# Altium PCB STM32F207VC.PcbDoc (part 12 of 16) (continued)
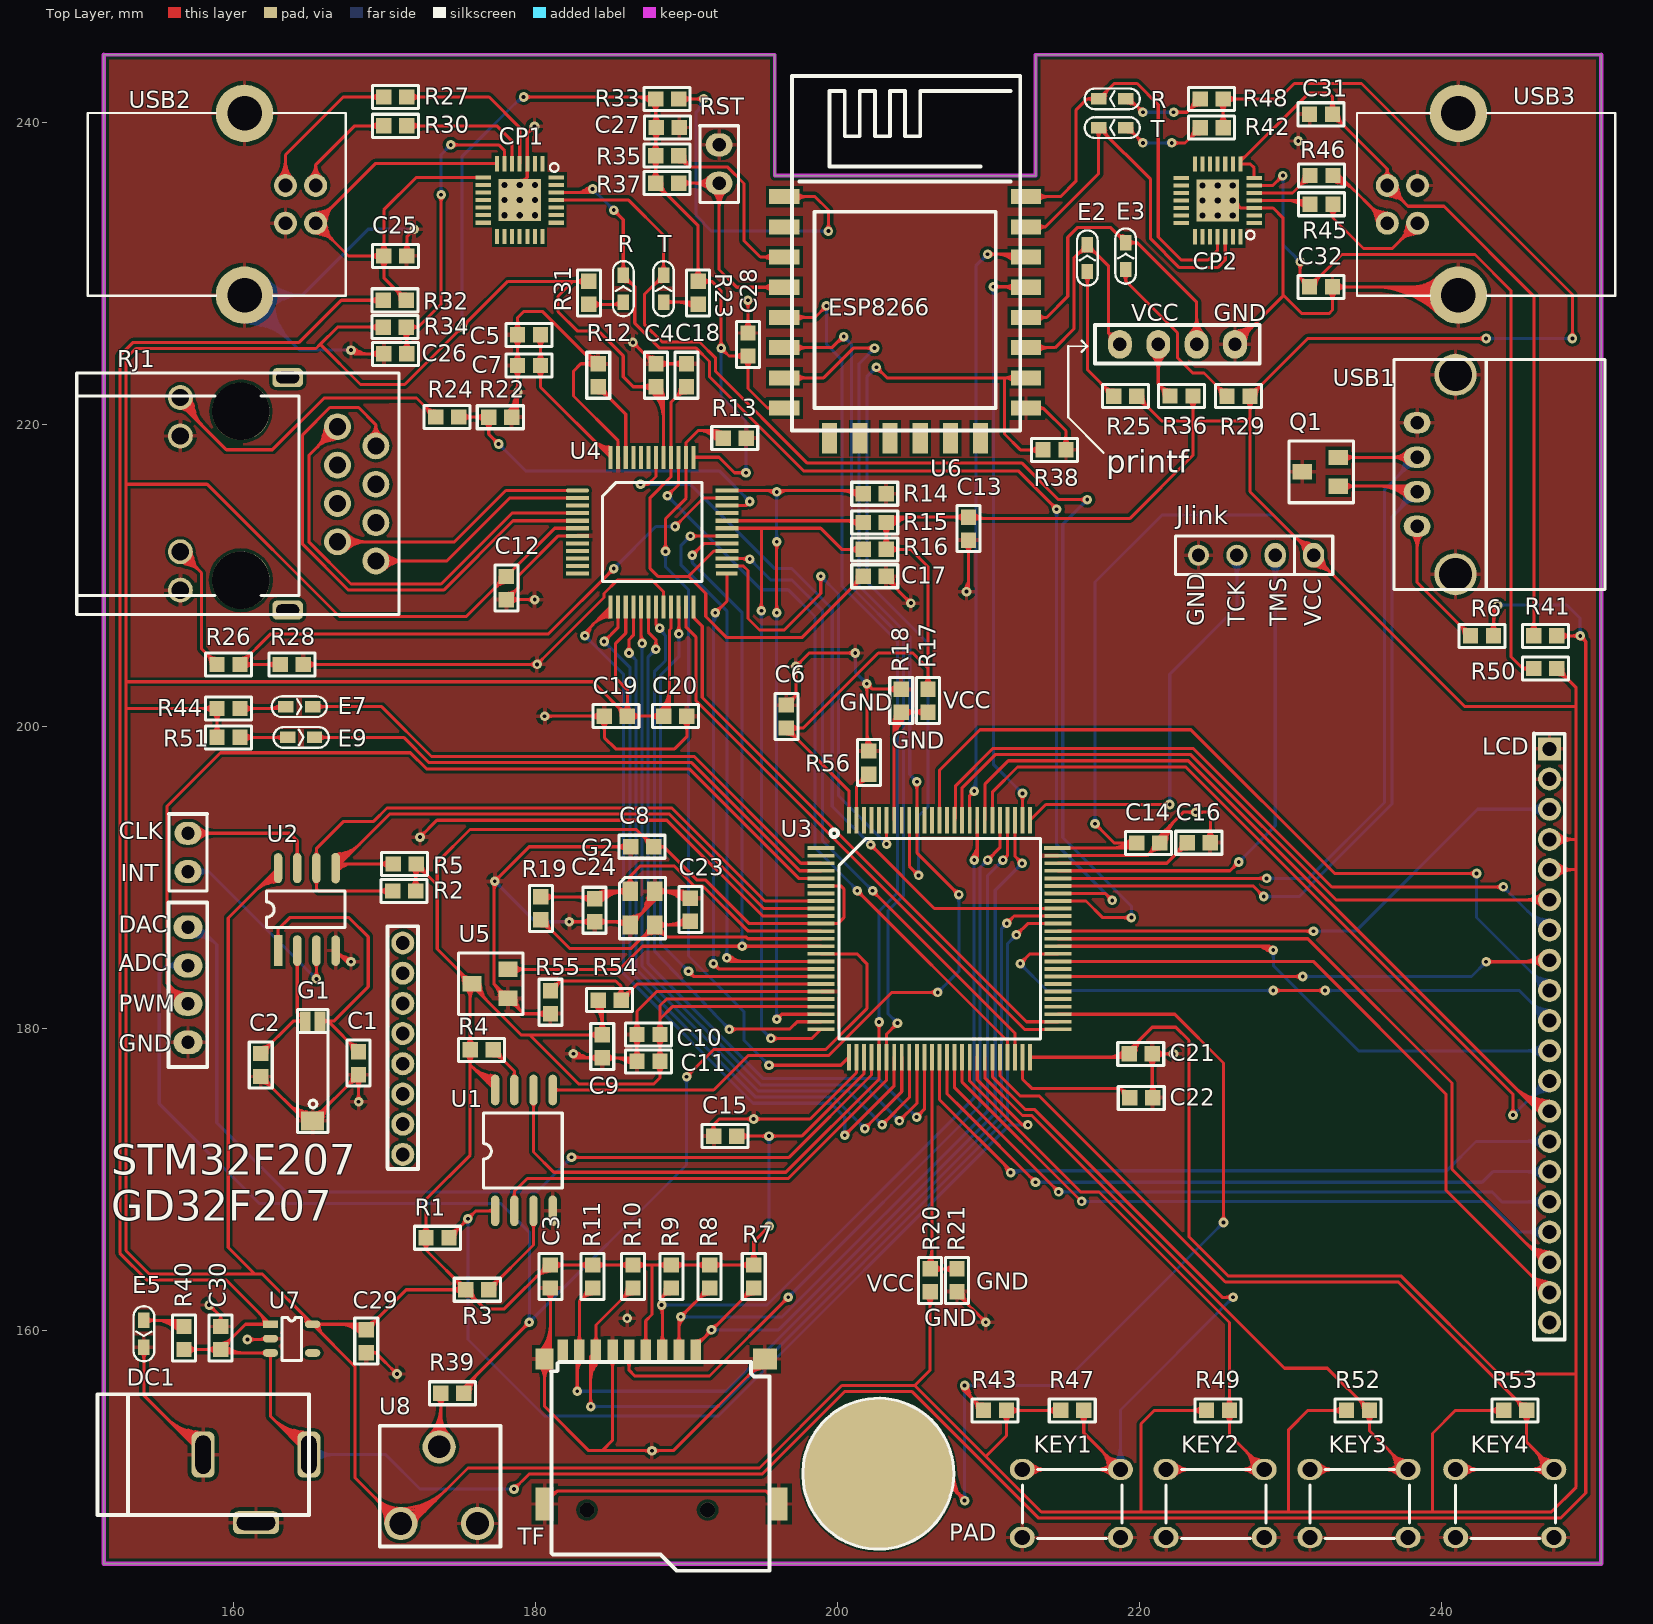
[diagram p0: Top Layer view]
## Nets (pads, with @x,y where several pads share a name; then routed paths per layer and width w, separated by ;. In a path a pad name is that pad's centre, name@x,y a point inside that pad or via, vN(x,y) a via of type N, cw(c..) or ccw(c..) an arc to the next point about the centre after c; other vN are vias at no path point) (continued)
  Bottom Layer w0.203: v1(208.407,148.717) v1(208.407,156.337) 214.757,156.337 v1(225.552,167.132) ; v1@208.254,148.87 ccw(c207.886,149.238) 208.407,149.238 ; v1@208.254,148.87 ccw(c207.886,149.238) 208.407,149.238 ; v1@208.254,148.87 ccw(c207.886,149.238) 208.407,149.238 ; v1@208.254,148.87 ccw(c207.886,149.238) 208.407,149.238 ; v1@208.254,156.184 cw(c207.886,155.816) 208.407,155.816 ; v1@208.254,156.184 cw(c207.886,155.816) 208.407,155.816 ; v1@208.254,156.184 cw(c207.886,155.816) 208.407,155.816 ; v1@208.254,156.184 cw(c207.886,155.816) 208.407,155.816 ; 208.407,149.238 ccw(c208.928,149.238) v1@208.56,148.87 ; 208.407,149.238 ccw(c208.928,149.238) v1@208.56,148.87 ; 208.407,149.238 ccw(c208.928,149.238) v1@208.56,148.87 ; 208.407,149.238 ccw(c208.928,149.238) v1@208.56,148.87 ; 208.407,155.816 cw(c208.928,155.816) v1@208.56,156.184 ; 208.407,155.816 cw(c208.928,155.816) v1@208.56,156.184 ; 208.407,155.816 cw(c208.928,155.816) v1@208.56,156.184 ; 208.407,155.816 cw(c208.928,155.816) v1@208.56,156.184 ; v1@208.56,156.184 cw(c208.928,155.816) 208.928,156.337 ; v1@208.56,156.184 cw(c208.928,155.816) 208.928,156.337 ; v1@208.56,156.184 cw(c208.928,155.816) 208.928,156.337 ; v1@208.56,156.184 cw(c208.928,155.816) 208.928,156.337 ; v1@208.56,156.49 ccw(c208.928,156.858) 208.928,156.337 ; v1@208.56,156.49 ccw(c208.928,156.858) 208.928,156.337 ; v1@208.56,156.49 ccw(c208.928,156.858) 208.928,156.337 ; v1@208.56,156.49 ccw(c208.928,156.858) 208.928,156.337 ; 225.183,166.763 cw(c225.552,166.395) v1@225.552,166.916 ; 225.183,166.763 ccw(c224.815,167.132) v1@225.336,167.132 ; 225.183,166.763 cw(c225.552,166.395) v1@225.552,166.916 ; 225.183,166.763 ccw(c224.815,167.132) v1@225.336,167.132 ; 225.183,166.763 ccw(c224.815,167.132) v1@225.336,167.132 ; 225.183,166.763 cw(c225.552,166.395) v1@225.552,166.916 ; 225.183,166.763 ccw(c224.815,167.132) v1@225.336,167.132 ; 225.183,166.763 cw(c225.552,166.395) v1@225.552,166.916
PWM: DAC.2 U3.5 | length 110.7
  Top Layer w0.203: DAC.2@156.972,181.61 155.575,183.007 ; U3.5@198.895,189.928 197.416,189.928 190.163,197.18 172.764,197.18 171.701,198.244 159.128,198.244 155.575,194.691 155.575,183.007 ; 155.575,183.007 cw(c154.254,181.686) DAC.2@156.121,181.63 ; 155.575,183.007 cw(c154.254,181.686) DAC.2@156.121,181.63 ; 155.575,183.007 cw(c154.254,181.686) DAC.2@156.121,181.63 ; 155.575,183.007 cw(c154.254,181.686) DAC.2@156.121,181.63 ; 155.908,182.674 cw(c154.9,181.667) DAC.2@156.325,181.624 ; 155.908,182.674 cw(c154.9,181.667) DAC.2@156.325,181.624 ; 155.908,182.674 cw(c154.9,181.667) DAC.2@156.325,181.624 ; 155.908,182.674 cw(c154.9,181.667) DAC.2@156.325,181.624 ; 155.918,182.664 ccw(c156.807,183.553) DAC.2@156.807,182.296 ; 155.918,182.664 ccw(c156.807,183.553) DAC.2@156.807,182.296 ; 155.918,182.664 ccw(c156.807,183.553) DAC.2@156.807,182.296 ; 155.918,182.664 ccw(c156.807,183.553) DAC.2@156.807,182.296 ; 155.937,182.411 ccw(c157.194,182.708) DAC.2@156.765,181.49 ; 155.937,182.411 ccw(c157.194,182.708) DAC.2@156.765,181.49 ; 155.937,182.411 ccw(c157.194,182.708) DAC.2@156.765,181.49 ; 155.937,182.411 ccw(c157.194,182.708) DAC.2@156.765,181.49 ; 155.937,182.411 ccw(c157.194,182.708) DAC.2@156.765,181.49 ; 156.022,182.049 ccw(c157.047,182.292) DAC.2@156.697,181.299 ; 156.022,182.049 ccw(c157.047,182.292) DAC.2@156.697,181.299 ; 156.022,182.049 ccw(c157.047,182.292) DAC.2@156.697,181.299 ; 156.022,182.049 ccw(c157.047,182.292) DAC.2@156.697,181.299 ; 156.022,182.049 ccw(c157.047,182.292) DAC.2@156.697,181.299 ; 156.159,182.325 ccw(c156.989,182.521) DAC.2@156.822,181.685 ; 156.159,182.325 ccw(c156.989,182.521) DAC.2@156.822,181.685 ; 156.159,182.325 ccw(c156.989,182.521) DAC.2@156.822,181.685 ; 156.159,182.325 ccw(c156.989,182.521) DAC.2@156.822,181.685 ; 156.159,182.325 ccw(c156.989,182.521) DAC.2@156.822,181.685 ; 156.159,182.325 ccw(c156.989,182.521) DAC.2@156.822,181.685 ; 156.221,182.453 cw(c155.97,181.516) DAC.2@156.933,181.624 ; 156.221,182.453 cw(c155.97,181.516) DAC.2@156.933,181.624 ; 156.221,182.453 cw(c155.97,181.516) DAC.2@156.933,181.624 ; 156.221,182.453 cw(c155.97,181.516) DAC.2@156.933,181.624 ; 156.221,182.453 cw(c155.97,181.516) DAC.2@156.933,181.624 ; 156.241,182.341 cw(c155.547,181.648) DAC.2@156.528,181.618 ; 156.241,182.341 cw(c155.547,181.648) DAC.2@156.528,181.618 ; 156.241,182.341 cw(c155.547,181.648) DAC.2@156.528,181.618 ; 156.241,182.341 cw(c155.547,181.648) DAC.2@156.528,181.618 ; 156.265,182.317 ccw(c156.807,182.859) DAC.2@156.807,182.093 ; 156.265,182.317 ccw(c156.807,182.859) DAC.2@156.807,182.093 ; 156.265,182.317 ccw(c156.807,182.859) DAC.2@156.807,182.093 ; 156.265,182.317 ccw(c156.807,182.859) DAC.2@156.807,182.093 ; 156.508,182.376 cw(c156.287,181.552) DAC.2@157.135,181.647 ; 156.508,182.376 cw(c156.287,181.552) DAC.2@157.135,181.647 ; 156.508,182.376 cw(c156.287,181.552) DAC.2@157.135,181.647 ; 156.508,182.376 cw(c156.287,181.552) DAC.2@157.135,181.647 ; 156.508,182.376 cw(c156.287,181.552) DAC.2@157.135,181.647
RJ45_LINK: R22.1 R24.1 U4.34 | length 60.9
  Top Layer w0.203: R24.1@174.896,220.478 176.882,220.478 R22.1@176.894,220.466 176.894,219.346 v1(177.546,218.694) ; U4.34@192.668,214.612 193.911,214.612 ; v1(194.183,214.884) 193.911,214.612 ; R24.1@175.184,220.191 cw(c175.878,219.497) 175.878,220.478 ; R24.1@175.184,220.191 cw(c175.878,219.497) 175.878,220.478 ; R24.1@175.184,220.191 cw(c175.878,219.497) 175.878,220.478 ; R24.1@175.184,220.191 cw(c175.878,219.497) 175.878,220.478 ; R24.1@175.184,220.765 ccw(c175.878,221.459) 175.878,220.478 ; R24.1@175.184,220.765 ccw(c175.878,221.459) 175.878,220.478 ; R24.1@175.184,220.765 ccw(c175.878,221.459) 175.878,220.478 ; R24.1@175.184,220.765 ccw(c175.878,221.459) 175.878,220.478 ; 175.884,220.478 cw(c175.884,219.456) R22.1@176.606,220.179 ; 175.884,220.478 cw(c175.884,219.456) R22.1@176.606,220.179 ; 175.884,220.478 cw(c175.884,219.456) R22.1@176.606,220.179 ; 175.884,220.478 cw(c175.884,219.456) R22.1@176.606,220.179 ; 175.941,220.478 ccw(c175.941,221.418) R22.1@176.606,220.753 ; 175.941,220.478 ccw(c175.941,221.418) R22.1@176.606,220.753 ; 175.941,220.478 ccw(c175.941,221.418) R22.1@176.606,220.753 ; 175.941,220.478 ccw(c175.941,221.418) R22.1@176.606,220.753 ; 176.374,220.478 cw(c176.374,219.947) R22.1@176.75,220.322 ; 176.374,220.478 cw(c176.374,219.947) R22.1@176.75,220.322 ; 176.374,220.478 cw(c176.374,219.947) R22.1@176.75,220.322 ; 176.374,220.478 cw(c176.374,219.947) R22.1@176.75,220.322 ; R22.1@176.606,220.179 cw(c175.912,219.485) 176.894,219.485 ; R22.1@176.606,220.179 cw(c175.912,219.485) 176.894,219.485 ; R22.1@176.606,220.179 cw(c175.912,219.485) 176.894,219.485 ; R22.1@176.606,220.179 cw(c175.912,219.485) 176.894,219.485 ; 176.894,219.485 cw(c177.875,219.485) R22.1@177.181,220.179 ; 176.894,219.485 cw(c177.875,219.485) R22.1@177.181,220.179 ; 176.894,219.485 cw(c177.875,219.485) R22.1@177.181,220.179 ; 176.894,219.485 cw(c177.875,219.485) R22.1@177.181,220.179 ; 177.177,219.063 cw(c176.809,218.694) v1@177.33,218.694 ; 177.177,219.063 ccw(c177.546,219.431) v1@177.546,218.91 ; 177.177,219.063 cw(c176.809,218.694) v1@177.33,218.694 ; 177.177,219.063 ccw(c177.546,219.431) v1@177.546,218.91 ; 177.177,219.063 ccw(c177.546,219.431) v1@177.546,218.91 ; 177.177,219.063 cw(c176.809,218.694) v1@177.33,218.694 ; 177.177,219.063 ccw(c177.546,219.431) v1@177.546,218.91 ; 177.177,219.063 cw(c176.809,218.694) v1@177.33,218.694 ; 177.252,218.986 ccw(c177.626,219.086) v1@177.549,218.706 ; 177.252,218.986 ccw(c177.626,219.086) v1@177.549,218.706 ; 177.252,218.986 ccw(c177.626,219.086) v1@177.549,218.706 ; 177.252,218.986 ccw(c177.626,219.086) v1@177.549,218.706 ; 177.252,218.986 ccw(c177.626,219.086) v1@177.549,218.706 ; 177.252,218.986 ccw(c177.626,219.086) v1@177.549,218.706 ; 177.254,218.988 cw(c177.154,218.614) v1@177.534,218.691 ; 177.254,218.988 cw(c177.154,218.614) v1@177.534,218.691 ; 177.254,218.988 cw(c177.154,218.614) v1@177.534,218.691 ; 177.254,218.988 cw(c177.154,218.614) v1@177.534,218.691 ; 177.254,218.988 cw(c177.154,218.614) v1@177.534,218.691 ; 177.254,218.988 cw(c177.154,218.614) v1@177.534,218.691 ; 193.911,214.612 cw(c194.077,214.447) v1@194.132,214.674 ; 193.911,214.612 ccw(c193.746,214.778) v1@193.973,214.833 ; 193.911,214.612 cw(c194.077,214.447) v1@194.132,214.674 ; 193.911,214.612 ccw(c193.746,214.778) v1@193.973,214.833 ; 193.911,214.612 ccw(c193.746,214.778) v1@193.973,214.833 ; 193.911,214.612 cw(c194.077,214.447) v1@194.132,214.674 ; 193.911,214.612 ccw(c193.746,214.778) v1@193.973,214.833 ; 193.911,214.612 cw(c194.077,214.447) v1@194.132,214.674
  Bottom Layer w0.203: v1(177.546,218.694) 179.324,216.916 192.151,216.916 v1(194.183,214.884) ; v1@177.546,218.478 cw(c177.546,217.957) 177.915,218.325 ; v1@177.546,218.478 cw(c177.546,217.957) 177.915,218.325 ; v1@177.546,218.478 cw(c177.546,217.957) 177.915,218.325 ; v1@177.546,218.478 cw(c177.546,217.957) 177.915,218.325 ; v1@177.762,218.694 ccw(c178.283,218.694) 177.915,218.325 ; v1@177.762,218.694 ccw(c178.283,218.694) 177.915,218.325 ; v1@177.762,218.694 ccw(c178.283,218.694) 177.915,218.325 ; v1@177.762,218.694 ccw(c178.283,218.694) 177.915,218.325 ; 193.814,215.253 cw(c193.446,214.884) v1@193.967,214.884 ; 193.814,215.253 ccw(c194.183,215.621) v1@194.183,215.1 ; 193.814,215.253 cw(c193.446,214.884) v1@193.967,214.884 ; 193.814,215.253 ccw(c194.183,215.621) v1@194.183,215.1 ; 193.814,215.253 ccw(c194.183,215.621) v1@194.183,215.1 ; 193.814,215.253 cw(c193.446,214.884) v1@193.967,214.884 ; 193.814,215.253 ccw(c194.183,215.621) v1@194.183,215.1 ; 193.814,215.253 cw(c193.446,214.884) v1@193.967,214.884
RJ45_MDI0_N: RJ1.8 U4.2 | length 41.7
  Top Layer w0.203: RJ1.8@169.416,210.947 174.117,210.947 178.282,215.112 U4.2@182.762,215.112 ; RJ1.8@169.685,210.678 cw(c170.336,210.027) 170.336,210.947 ; RJ1.8@169.685,210.678 cw(c170.336,210.027) 170.336,210.947 ; RJ1.8@169.685,210.678 cw(c170.336,210.027) 170.336,210.947 ; RJ1.8@169.685,210.678 cw(c170.336,210.027) 170.336,210.947 ; RJ1.8@169.685,211.216 ccw(c170.336,211.867) 170.336,210.947 ; RJ1.8@169.685,211.216 ccw(c170.336,211.867) 170.336,210.947 ; RJ1.8@169.685,211.216 ccw(c170.336,211.867) 170.336,210.947 ; RJ1.8@169.685,211.216 ccw(c170.336,211.867) 170.336,210.947 ; RJ1.8@169.829,210.534 cw(c170.826,209.537) 170.826,210.947 ; RJ1.8@169.829,210.534 cw(c170.826,209.537) 170.826,210.947 ; RJ1.8@169.829,210.534 cw(c170.826,209.537) 170.826,210.947 ; RJ1.8@169.829,210.534 cw(c170.826,209.537) 170.826,210.947 ; RJ1.8@169.829,211.36 ccw(c170.826,212.357) 170.826,210.947 ; RJ1.8@169.829,211.36 ccw(c170.826,212.357) 170.826,210.947 ; RJ1.8@169.829,211.36 ccw(c170.826,212.357) 170.826,210.947 ; RJ1.8@169.829,211.36 ccw(c170.826,212.357) 170.826,210.947 ; RJ1.8@169.973,210.39 cw(c171.317,209.046) 171.317,210.947 ; RJ1.8@169.973,210.39 cw(c171.317,209.046) 171.317,210.947 ; RJ1.8@169.973,210.39 cw(c171.317,209.046) 171.317,210.947 ; RJ1.8@169.973,210.39 cw(c171.317,209.046) 171.317,210.947 ; RJ1.8@169.973,211.504 ccw(c171.317,212.848) 171.317,210.947 ; RJ1.8@169.973,211.504 ccw(c171.317,212.848) 171.317,210.947 ; RJ1.8@169.973,211.504 ccw(c171.317,212.848) 171.317,210.947 ; RJ1.8@169.973,211.504 ccw(c171.317,212.848) 171.317,210.947
RJ45_MDI0_P: RJ1.7 U4.1 | length 43.9
  Top Layer w0.203: RJ1.7@166.876,212.217 174.625,212.217 178.02,215.612 U4.1@182.762,215.612 ; RJ1.7@167.145,211.948 cw(c167.796,211.297) 167.796,212.217 ; RJ1.7@167.145,211.948 cw(c167.796,211.297) 167.796,212.217 ; RJ1.7@167.145,211.948 cw(c167.796,211.297) 167.796,212.217 ; RJ1.7@167.145,211.948 cw(c167.796,211.297) 167.796,212.217 ; RJ1.7@167.145,212.486 ccw(c167.796,213.137) 167.796,212.217 ; RJ1.7@167.145,212.486 ccw(c167.796,213.137) 167.796,212.217 ; RJ1.7@167.145,212.486 ccw(c167.796,213.137) 167.796,212.217 ; RJ1.7@167.145,212.486 ccw(c167.796,213.137) 167.796,212.217 ; RJ1.7@167.289,211.804 cw(c168.286,210.807) 168.286,212.217 ; RJ1.7@167.289,211.804 cw(c168.286,210.807) 168.286,212.217 ; RJ1.7@167.289,211.804 cw(c168.286,210.807) 168.286,212.217 ; RJ1.7@167.289,211.804 cw(c168.286,210.807) 168.286,212.217 ; RJ1.7@167.289,212.63 ccw(c168.286,213.627) 168.286,212.217 ; RJ1.7@167.289,212.63 ccw(c168.286,213.627) 168.286,212.217 ; RJ1.7@167.289,212.63 ccw(c168.286,213.627) 168.286,212.217 ; RJ1.7@167.289,212.63 ccw(c168.286,213.627) 168.286,212.217 ; RJ1.7@167.433,211.66 cw(c168.777,210.316) 168.777,212.217 ; RJ1.7@167.433,211.66 cw(c168.777,210.316) 168.777,212.217 ; RJ1.7@167.433,211.66 cw(c168.777,210.316) 168.777,212.217 ; RJ1.7@167.433,211.66 cw(c168.777,210.316) 168.777,212.217 ; RJ1.7@167.433,212.774 ccw(c168.777,214.118) 168.777,212.217 ; RJ1.7@167.433,212.774 ccw(c168.777,214.118) 168.777,212.217 ; RJ1.7@167.433,212.774 ccw(c168.777,214.118) 168.777,212.217 ; RJ1.7@167.433,212.774 ccw(c168.777,214.118) 168.777,212.217
RJ45_MDI1_N: RJ1.2 U4.5 | length 48.2
  Top Layer w0.203: RJ1.2@169.416,218.567 169.416,219.966 ; U4.5@182.762,213.612 178.5,213.612 173.904,209.017 167.599,209.017 164.567,212.049 164.567,219.304 166.37,221.107 168.275,221.107 169.416,219.966 ; RJ1.2@169.007,219.24 ccw(c168.567,219.966) 169.416,219.966 ; RJ1.2@169.007,219.24 ccw(c168.567,219.966) 169.416,219.966 ; RJ1.2@169.007,219.24 ccw(c168.567,219.966) 169.416,219.966 ; RJ1.2@169.007,219.24 ccw(c168.567,219.966) 169.416,219.966 ; RJ1.2@169.113,219.066 ccw(c168.786,219.605) 169.416,219.605 ; RJ1.2@169.113,219.066 ccw(c168.786,219.605) 169.416,219.605 ; RJ1.2@169.113,219.066 ccw(c168.786,219.605) 169.416,219.605 ; RJ1.2@169.113,219.066 ccw(c168.786,219.605) 169.416,219.605 ; 169.416,219.605 ccw(c170.046,219.605) RJ1.2@169.719,219.066 ; 169.416,219.605 ccw(c170.046,219.605) RJ1.2@169.719,219.066 ; 169.416,219.605 ccw(c170.046,219.605) RJ1.2@169.719,219.066 ; 169.416,219.605 ccw(c170.046,219.605) RJ1.2@169.719,219.066 ; 169.416,219.966 ccw(c170.265,219.966) RJ1.2@169.825,219.24 ; 169.416,219.966 ccw(c170.265,219.966) RJ1.2@169.825,219.24 ; 169.416,219.966 ccw(c170.265,219.966) RJ1.2@169.825,219.24 ; 169.416,219.966 ccw(c170.265,219.966) RJ1.2@169.825,219.24
RJ45_MDI1_P: RJ1.1 U4.4 | length 111.5
  Top Layer w0.203: RJ1.1@166.876,219.837 164.973,217.934 164.973,212.217 167.767,209.423 173.736,209.423 178.425,214.112 U4.4@182.762,214.112 ; 165.532,218.493 cw(c166.876,217.149) RJ1.1@166.876,219.05 ; 165.532,218.493 ccw(c164.188,219.837) RJ1.1@166.089,219.837 ; 165.532,218.493 cw(c166.876,217.149) RJ1.1@166.876,219.05 ; 165.532,218.493 ccw(c164.188,219.837) RJ1.1@166.089,219.837 ; 165.532,218.493 ccw(c164.188,219.837) RJ1.1@166.089,219.837 ; 165.532,218.493 cw(c166.876,217.149) RJ1.1@166.876,219.05 ; 165.532,218.493 ccw(c164.188,219.837) RJ1.1@166.089,219.837 ; 165.532,218.493 cw(c166.876,217.149) RJ1.1@166.876,219.05 ; 165.833,218.885 cw(c167.143,218.534) RJ1.1@166.871,219.862 ; 165.833,218.885 cw(c167.143,218.534) RJ1.1@166.871,219.862 ; 165.833,218.885 cw(c167.143,218.534) RJ1.1@166.871,219.862 ; 165.833,218.885 cw(c167.143,218.534) RJ1.1@166.871,219.862 ; 165.833,218.885 cw(c167.143,218.534) RJ1.1@166.871,219.862 ; 165.833,218.885 cw(c167.143,218.534) RJ1.1@166.871,219.862 ; 165.879,218.84 cw(c166.876,217.842) RJ1.1@166.876,219.253 ; 165.879,218.84 ccw(c164.881,219.837) RJ1.1@166.292,219.837 ; 165.879,218.84 cw(c166.876,217.842) RJ1.1@166.876,219.253 ; 165.879,218.84 ccw(c164.881,219.837) RJ1.1@166.292,219.837 ; 165.879,218.84 ccw(c164.881,219.837) RJ1.1@166.292,219.837 ; 165.879,218.84 cw(c166.876,217.842) RJ1.1@166.876,219.253 ; 165.879,218.84 ccw(c164.881,219.837) RJ1.1@166.292,219.837 ; 165.879,218.84 cw(c166.876,217.842) RJ1.1@166.876,219.253 ; 165.919,219.202 cw(c167.069,218.894) RJ1.1@166.83,220.061 ; 165.919,219.202 cw(c167.069,218.894) RJ1.1@166.83,220.061 ; 165.919,219.202 cw(c167.069,218.894) RJ1.1@166.83,220.061 ; 165.919,219.202 cw(c167.069,218.894) RJ1.1@166.83,220.061 ; 165.919,219.202 cw(c167.069,218.894) RJ1.1@166.83,220.061 ; 165.919,219.202 cw(c167.069,218.894) RJ1.1@166.83,220.061 ; 165.924,218.794 ccw(c165.573,220.104) RJ1.1@166.901,219.832 ; 165.924,218.794 ccw(c165.573,220.104) RJ1.1@166.901,219.832 ; 165.924,218.794 ccw(c165.573,220.104) RJ1.1@166.901,219.832 ; 165.924,218.794 ccw(c165.573,220.104) RJ1.1@166.901,219.832 ; 165.924,218.794 ccw(c165.573,220.104) RJ1.1@166.901,219.832 ; 166.004,219.52 cw(c166.995,219.254) RJ1.1@166.789,220.26 ; 166.004,219.52 cw(c166.995,219.254) RJ1.1@166.789,220.26 ; 166.004,219.52 cw(c166.995,219.254) RJ1.1@166.789,220.26 ; 166.004,219.52 cw(c166.995,219.254) RJ1.1@166.789,220.26 ; 166.004,219.52 cw(c166.995,219.254) RJ1.1@166.789,220.26 ; 166.004,219.52 cw(c166.995,219.254) RJ1.1@166.789,220.26 ; 166.139,219.267 cw(c166.916,219.059) RJ1.1@166.875,219.862 ; 166.139,219.267 cw(c166.916,219.059) RJ1.1@166.875,219.862 ; 166.139,219.267 cw(c166.916,219.059) RJ1.1@166.875,219.862 ; 166.139,219.267 cw(c166.916,219.059) RJ1.1@166.875,219.862 ; 166.139,219.267 cw(c166.916,219.059) RJ1.1@166.875,219.862 ; 166.139,219.267 cw(c166.916,219.059) RJ1.1@166.875,219.862 ; 166.226,219.187 cw(c166.876,218.536) RJ1.1@166.876,219.456 ; 166.226,219.187 ccw(c165.575,219.837) RJ1.1@166.495,219.837 ; 166.226,219.187 cw(c166.876,218.536) RJ1.1@166.876,219.456 ; 166.226,219.187 ccw(c165.575,219.837) RJ1.1@166.495,219.837 ; 166.226,219.187 ccw(c165.575,219.837) RJ1.1@166.495,219.837 ; 166.226,219.187 cw(c166.876,218.536) RJ1.1@166.876,219.456 ; 166.226,219.187 ccw(c165.575,219.837) RJ1.1@166.495,219.837 ; 166.226,219.187 cw(c166.876,218.536) RJ1.1@166.876,219.456 ; 166.241,218.88 ccw(c165.933,220.03) RJ1.1@167.1,219.791 ; 166.241,218.88 ccw(c165.933,220.03) RJ1.1@167.1,219.791 ; 166.241,218.88 ccw(c165.933,220.03) RJ1.1@167.1,219.791 ; 166.241,218.88 ccw(c165.933,220.03) RJ1.1@167.1,219.791 ; 166.241,218.88 ccw(c165.933,220.03) RJ1.1@167.1,219.791 ; 166.306,219.1 ccw(c166.098,219.877) RJ1.1@166.901,219.836 ; 166.306,219.1 ccw(c166.098,219.877) RJ1.1@166.901,219.836 ; 166.306,219.1 ccw(c166.098,219.877) RJ1.1@166.901,219.836 ; 166.306,219.1 ccw(c166.098,219.877) RJ1.1@166.901,219.836 ; 166.306,219.1 ccw(c166.098,219.877) RJ1.1@166.901,219.836 ; 166.306,219.1 ccw(c166.098,219.877) RJ1.1@166.901,219.836 ; 166.559,218.965 ccw(c166.293,219.956) RJ1.1@167.299,219.75 ; 166.559,218.965 ccw(c166.293,219.956) RJ1.1@167.299,219.75 ; 166.559,218.965 ccw(c166.293,219.956) RJ1.1@167.299,219.75 ; 166.559,218.965 ccw(c166.293,219.956) RJ1.1@167.299,219.75 ; 166.559,218.965 ccw(c166.293,219.956) RJ1.1@167.299,219.75
RJ45_SPEED: R26.1 R28.2 U4.35 | length 90.8
  Top Layer w0.203: R28.2@163.085,204.095 R26.1@160.418,204.095 ; v1(185.166,210.439) 180.848,206.121 162.444,206.121 R26.1@160.418,204.095 ; v1(189.23,213.233) 191.109,215.112 U4.35@192.668,215.112 ; R26.1@160.418,204.095 cw(c161.114,203.952) 160.93,204.639 ; R26.1@160.418,204.095 cw(c161.114,203.952) 160.93,204.639 ; R26.1@160.418,204.095 ccw(c160.276,204.791) 160.962,204.607 ; R26.1@160.418,204.095 ccw(c160.276,204.791) 160.962,204.607 ; R26.1@160.418,204.095 cw(c161.114,203.952) 160.93,204.639 ; R26.1@160.418,204.095 ccw(c160.276,204.791) 160.962,204.607 ; R26.1@160.418,204.095 ccw(c160.276,204.791) 160.962,204.607 ; R26.1@160.418,204.095 ccw(c160.276,204.791) 160.962,204.607 ; R26.1@160.418,204.095 ccw(c160.276,204.791) 160.962,204.607 ; R26.1@160.418,204.095 cw(c161.114,203.952) 160.93,204.639 ; R26.1@160.418,204.095 cw(c161.114,203.952) 160.93,204.639 ; R26.1@160.418,204.095 cw(c161.114,203.952) 160.93,204.639 ; R26.1@160.418,204.501 ccw(c160.418,205.482) 161.112,204.789 ; R26.1@160.418,204.501 ccw(c160.418,205.482) 161.112,204.789 ; R26.1@160.418,204.501 ccw(c160.418,205.482) 161.112,204.789 ; R26.1@160.418,204.501 ccw(c160.418,205.482) 161.112,204.789 ; R26.1@160.706,203.808 cw(c161.4,203.114) 161.4,204.095 ; R26.1@160.706,203.808 cw(c161.4,203.114) 161.4,204.095 ; R26.1@160.706,203.808 cw(c161.4,203.114) 161.4,204.095 ; R26.1@160.706,203.808 cw(c161.4,203.114) 161.4,204.095 ; R26.1@160.706,204.382 ccw(c161.4,205.076) 161.4,204.095 ; R26.1@160.706,204.382 ccw(c161.4,205.076) 161.4,204.095 ; R26.1@160.706,204.382 ccw(c161.4,205.076) 161.4,204.095 ; R26.1@160.706,204.382 ccw(c161.4,205.076) 161.4,204.095 ; R26.1@160.825,204.095 cw(c161.806,204.095) 161.112,204.789 ; R26.1@160.825,204.095 cw(c161.806,204.095) 161.112,204.789 ; R26.1@160.825,204.095 cw(c161.806,204.095) 161.112,204.789 ; R26.1@160.825,204.095 cw(c161.806,204.095) 161.112,204.789 ; 162.104,204.095 cw(c162.104,203.114) R28.2@162.798,203.808 ; 162.104,204.095 ccw(c162.104,205.076) R28.2@162.798,204.382 ; 162.104,204.095 cw(c162.104,203.114) R28.2@162.798,203.808 ; 162.104,204.095 ccw(c162.104,205.076) R28.2@162.798,204.382 ; 162.104,204.095 ccw(c162.104,205.076) R28.2@162.798,204.382 ; 162.104,204.095 cw(c162.104,203.114) R28.2@162.798,203.808 ; 162.104,204.095 ccw(c162.104,205.076) R28.2@162.798,204.382 ; 162.104,204.095 cw(c162.104,203.114) R28.2@162.798,203.808 ; 184.797,210.07 cw(c185.166,209.702) v1@185.166,210.223 ; 184.797,210.07 ccw(c184.429,210.439) v1@184.95,210.439 ; 184.797,210.07 cw(c185.166,209.702) v1@185.166,210.223 ; 184.797,210.07 ccw(c184.429,210.439) v1@184.95,210.439 ; 184.797,210.07 ccw(c184.429,210.439) v1@184.95,210.439 ; 184.797,210.07 cw(c185.166,209.702) v1@185.166,210.223 ; 184.797,210.07 ccw(c184.429,210.439) v1@184.95,210.439 ; 184.797,210.07 cw(c185.166,209.702) v1@185.166,210.223 ; 184.872,210.147 cw(c185.246,210.047) v1@185.169,210.427 ; 184.872,210.147 cw(c185.246,210.047) v1@185.169,210.427 ; 184.872,210.147 cw(c185.246,210.047) v1@185.169,210.427 ; 184.872,210.147 cw(c185.246,210.047) v1@185.169,210.427 ; 184.872,210.147 cw(c185.246,210.047) v1@185.169,210.427 ; 184.872,210.147 cw(c185.246,210.047) v1@185.169,210.427 ; 184.874,210.145 ccw(c184.774,210.519) v1@185.154,210.442 ; 184.874,210.145 ccw(c184.774,210.519) v1@185.154,210.442 ; 184.874,210.145 ccw(c184.774,210.519) v1@185.154,210.442 ; 184.874,210.145 ccw(c184.774,210.519) v1@185.154,210.442 ; 184.874,210.145 ccw(c184.774,210.519) v1@185.154,210.442 ; 184.874,210.145 ccw(c184.774,210.519) v1@185.154,210.442 ; v1@189.227,213.245 ccw(c189.15,213.625) 189.524,213.525 ; v1@189.227,213.245 ccw(c189.15,213.625) 189.524,213.525 ; v1@189.227,213.245 ccw(c189.15,213.625) 189.524,213.525 ; v1@189.227,213.245 ccw(c189.15,213.625) 189.524,213.525 ; v1@189.227,213.245 ccw(c189.15,213.625) 189.524,213.525 ; v1@189.227,213.245 ccw(c189.15,213.625) 189.524,213.525 ; v1@189.23,213.449 ccw(c189.23,213.97) 189.599,213.602 ; v1@189.23,213.449 ccw(c189.23,213.97) 189.599,213.602 ; v1@189.23,213.449 ccw(c189.23,213.97) 189.599,213.602 ; v1@189.23,213.449 ccw(c189.23,213.97) 189.599,213.602 ; v1@189.242,213.23 cw(c189.622,213.153) 189.522,213.527 ; v1@189.242,213.23 cw(c189.622,213.153) 189.522,213.527 ; v1@189.242,213.23 cw(c189.622,213.153) 189.522,213.527 ; v1@189.242,213.23 cw(c189.622,213.153) 189.522,213.527 ; v1@189.242,213.23 cw(c189.622,213.153) 189.522,213.527 ; v1@189.242,213.23 cw(c189.622,213.153) 189.522,213.527 ; v1@189.446,213.233 cw(c189.967,213.233) 189.599,213.602 ; v1@189.446,213.233 cw(c189.967,213.233) 189.599,213.602 ; v1@189.446,213.233 cw(c189.967,213.233) 189.599,213.602 ; v1@189.446,213.233 cw(c189.967,213.233) 189.599,213.602
  Bottom Layer w0.203: v1(185.166,210.439) 187.96,213.233 v1(189.23,213.233) ; v1@185.166,210.655 ccw(c185.166,211.176) 185.535,210.808 ; v1@185.166,210.655 ccw(c185.166,211.176) 185.535,210.808 ; v1@185.166,210.655 ccw(c185.166,211.176) 185.535,210.808 ; v1@185.166,210.655 ccw(c185.166,211.176) 185.535,210.808 ; v1@185.382,210.439 cw(c185.903,210.439) 185.535,210.808 ; v1@185.382,210.439 cw(c185.903,210.439) 185.535,210.808 ; v1@185.382,210.439 cw(c185.903,210.439) 185.535,210.808 ; v1@185.382,210.439 cw(c185.903,210.439) 185.535,210.808 ; 188.709,213.233 cw(c188.709,212.712) v1@189.077,213.08 ; 188.709,213.233 ccw(c188.709,213.754) v1@189.077,213.386 ; 188.709,213.233 cw(c188.709,212.712) v1@189.077,213.08 ; 188.709,213.233 ccw(c188.709,213.754) v1@189.077,213.386 ; 188.709,213.233 ccw(c188.709,213.754) v1@189.077,213.386 ; 188.709,213.233 cw(c188.709,212.712) v1@189.077,213.08 ; 188.709,213.233 ccw(c188.709,213.754) v1@189.077,213.386 ; 188.709,213.233 cw(c188.709,212.712) v1@189.077,213.08